# Allegro board BeagleBoard-xM.brd (continued)
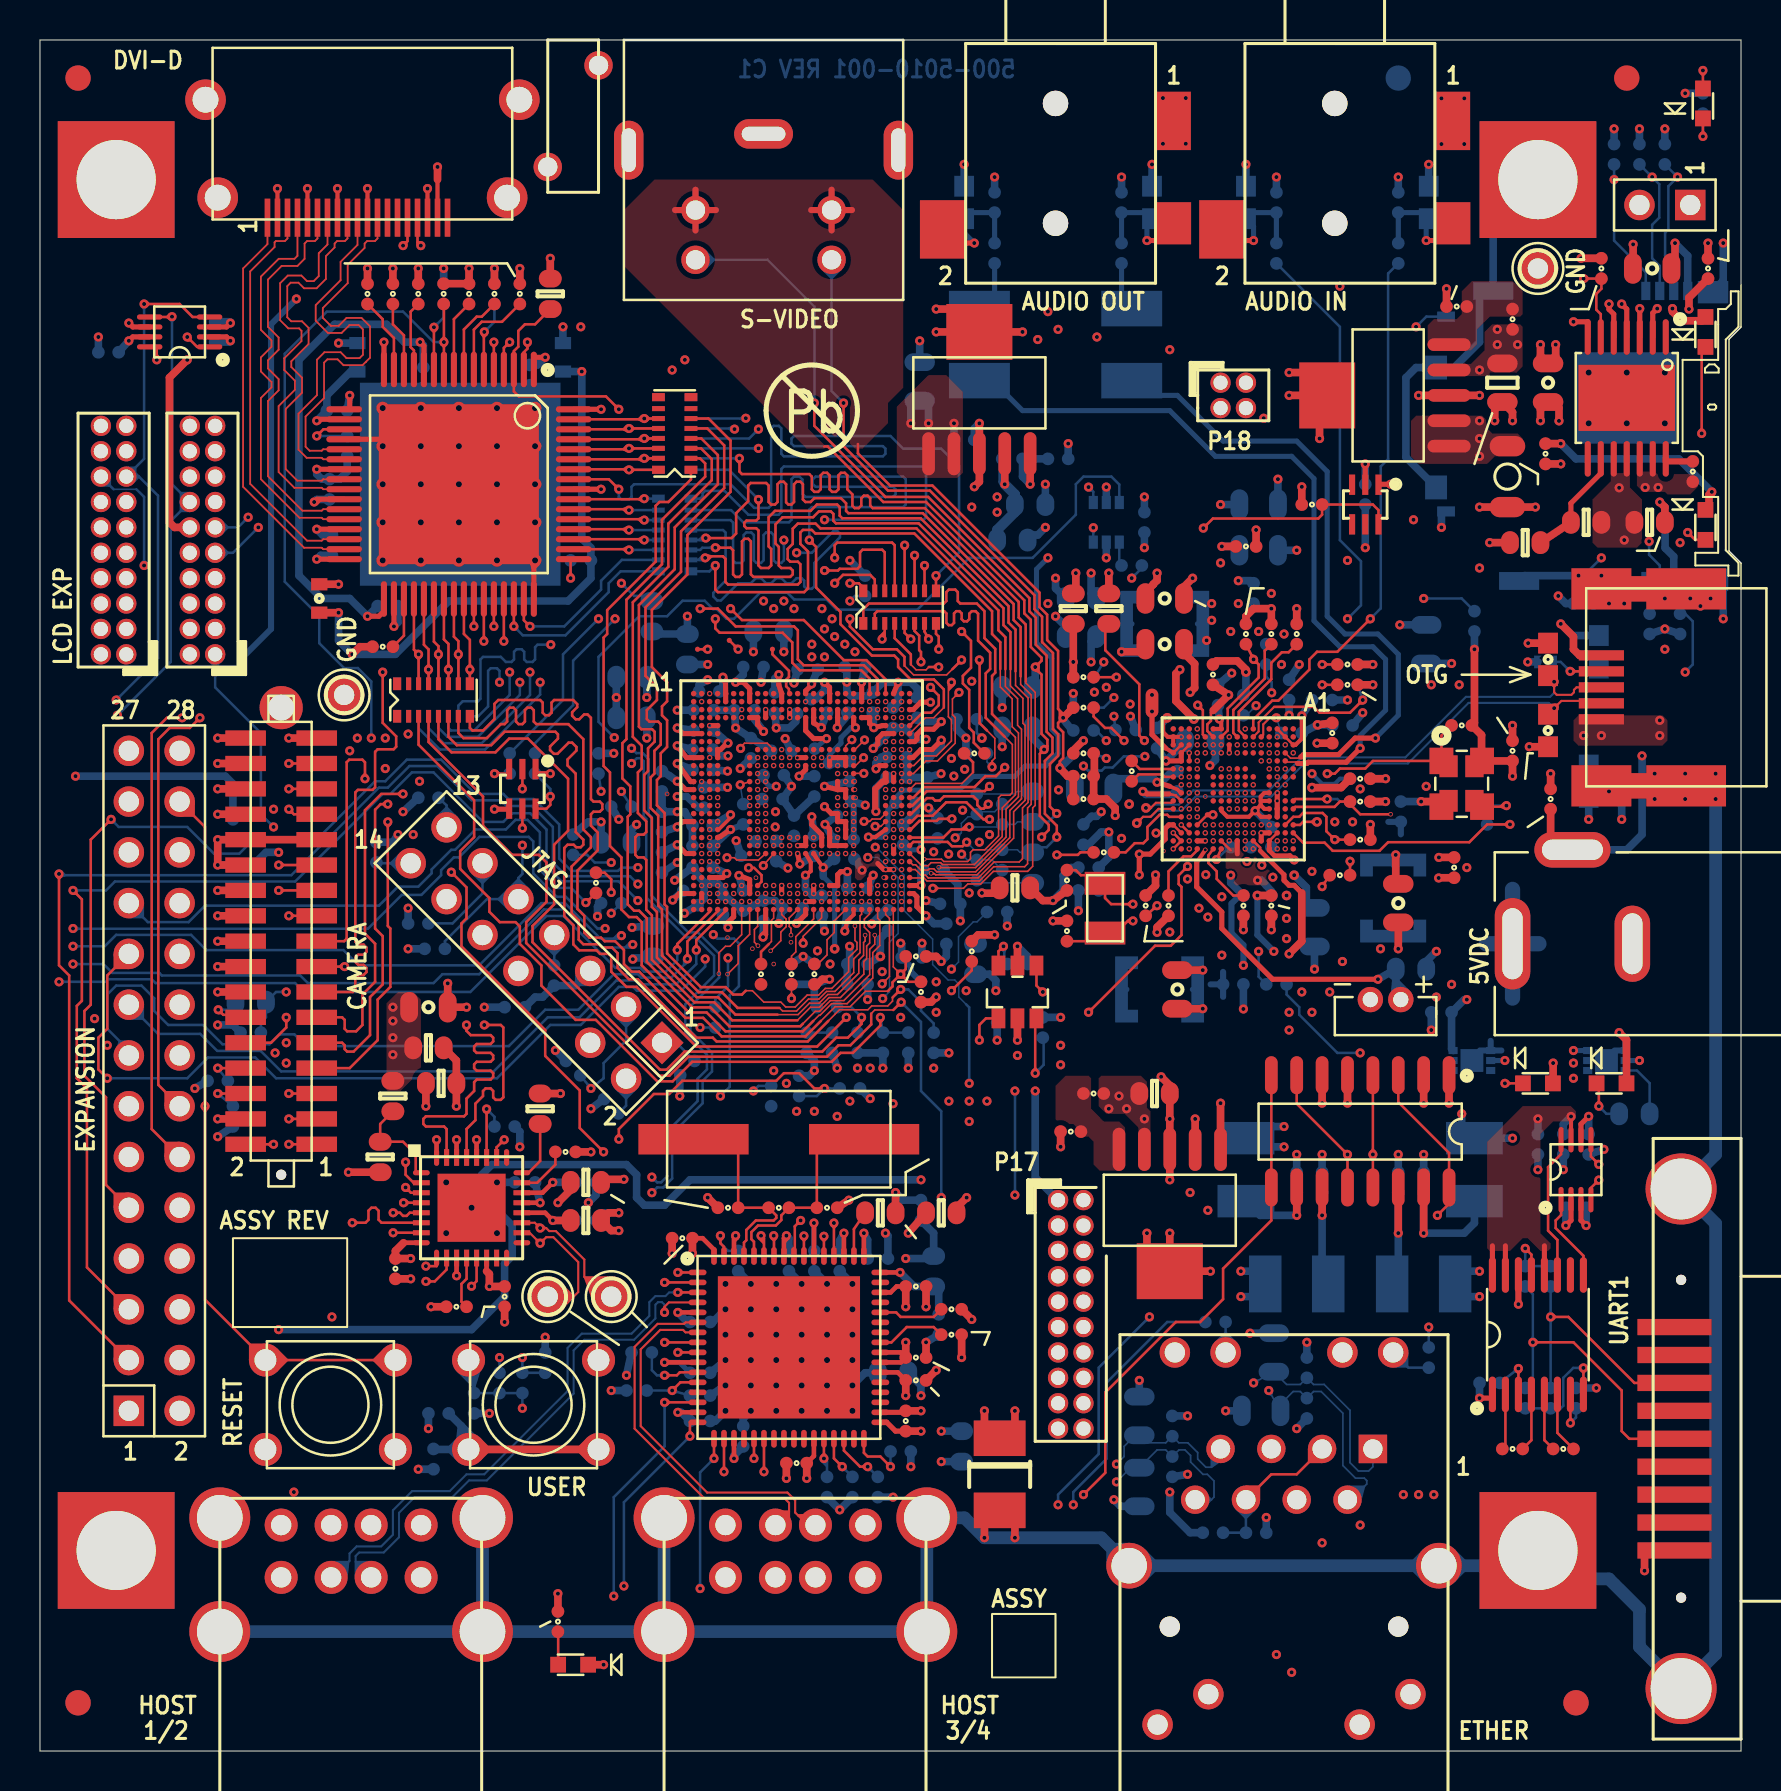
[diagram p0: board, top side]
## Placement (name value [footprint] x y rotation side) (continued)
R53  10K,1%  [R402-25RD]  52.45 43.05 180 bottom
R54  10K  [R402-25RD]  55.31 42.29 90 top
R55  4.7K  [R402-25RD]  71.12 51.31 0 top
R56  33  [R402-25RD]  72.39 46.86 270 bottom
R57  0,0603  [R603-35X45]  53.47 57.15 270 top
R58  33  [R402-25RD]  54.1 74.93 90 bottom
R59  4.7K  [R402-25RD]  66.04 47.5 180 top
R60  33  [R402-25RD]  47.75 74.93 90 bottom
R61  4.7K  [R402-25RD]  66.04 45.59 180 top
R62  10K  [R402-25RD]  52.2 52.2 0 bottom
R63  12.4K,1%,0603  [R603-35X45]  42.04 26.92 180 top
R64  330  [R402-25RD]  61.85 38.35 180 bottom
R65  0,0603  [R603-35X45]  68.58 39.12 0 bottom
R66  0,0603  [R603-35X45]  52.07 57.66 180 bottom
R67  0,0603  [R603-35X45]  52.07 55.75 180 bottom
R68  0,0603,DNI  [R603-35X45]  48.64 60.58 180 bottom
R69  0,0603,DNI  [R603-35X45]  49.53 62.36 180 bottom
R70  DNI,56.2K,1%  [R402-25RD]  48.64 64.64 0 bottom
R71  DNI,115K,1%  [R402-25RD]  50.93 64.64 0 bottom
R72  10K  [R402-25RD]  80.52 56.39 90 bottom
R73  10K  [R402-25RD]  77.22 57.4 0 bottom
R74  10K  [R402-25RD]  80.01 79.88 270 bottom
R75  10K  [R402-25RD]  78.74 79.88 270 bottom
R76  10K  [R402-25RD]  81.28 79.88 270 bottom
R77  10K  [R402-25RD]  82.04 56.39 90 bottom
R78  0  [R402-25RD]  75.56 23.75 270 bottom
R79  0,DNI  [R402-25RD]  74.3 23.75 270 bottom
R80  0,DNI  [R402-25RD]  75.56 17.65 90 bottom
R81  10K  [R402-25RD]  77.47 30.35 90 bottom
R82  0  [R402-25RD]  74.3 17.65 90 bottom
R83  0,0603  [R603-35X45]  10.54 37.46 0 bottom
R84  8.45K_1%_0603  [R603-35X45]  25.53 72.9 270 top
R85  8.06K_1%_0603  [R603-35X45]  30.61 56.77 90 bottom
R86  10K  [R402-25RD]  21.46 72.9 90 top
R87  510  [R402-25RD]  15.37 65.28 90 bottom
R88  1K  [R402-25RD]  17.14 55.25 0 top
R89  4.7K  [R402-25RD]  27.05 59.56 180 bottom
R90  10K  [R402-25RD]  20.19 72.9 270 top
R91  1K  [R402-25RD]  18.92 72.9 270 top
R92  4.7K  [R402-25RD]  20.19 72.9 270 bottom
R93  10K  [R402-25RD]  16.38 72.9 270 top
R94  10K  [R402-25RD]  17.65 72.9 270 top
R95  RES_0_0402,DNI  [R402-25RD]  22.73 72.9 270 bottom
R96  RES_0_0402,DNI  [R402-25RD]  24 72.9 270 top
R97  RES_0_0402,DNI  [R402-25RD]  22.73 72.9 270 top
R98  0,0603  [R603-35X45]  17.65 32.77 270 top
R99  10K,DNI  [R402-25RD]  27.3 28.45 0 bottom
R100  0  [R402-25RD]  26.29 29.97 0 top
R101  100K  [R402-25RD]  30.1 19.94 0 bottom
R102  8.06K_1%_0603  [R603-35X45]  25.02 32.13 90 top
R103  10K  [R402-25RD]  23.24 31.24 0 bottom
R104  330  [R402-25RD]  69.47 19.68 270 bottom
R105  100K  [R402-25RD]  29.84 18.03 0 bottom
R106  10K  [R402-25RD]  45.59 22.1 0 top
R107  10K  [R402-25RD]  43.05 14.99 180 bottom
R108  10K  [R402-25RD]  41.91 13.21 90 bottom
R109  12K,1%  [R402-25RD]  34.92 24.51 90 bottom
R110  49.9,1%  [R805-35X60]  54.99 16.76 90 bottom
R111  56.2K,1%  [R402-25RD]  52.71 32.89 0 top
R112  1M  [R402-25RD]  36.96 27.18 0 top
R113  32.4K,1%  [R402-25RD]  51.56 30.99 180 top
R114  49.9,1%  [R805-35X60]  54.99 13.21 270 bottom
R115  49.9,1%  [R805-35X60]  61.72 19.94 90 bottom
R116  49.9,1%  [R805-35X60]  61.09 17.02 180 bottom
R117  10,1%  [R402-25RD]  58.67 10.92 0 bottom
R118  10K  [R402-25RD]  45.59 20.83 180 top
R119  0,1210  [R1210-70X102]  48.01 13.84 270 top
R121  510  [R603-35X45]  79.76 31.88 180 bottom
R122  0,0603,DNI  [R603-35X45]  17.02 29.72 270 top
R123  10K  [R402-25RD]  43.82 39.75 0 top
R124  10K  [R402-25RD]  10.54 35.94 0 bottom
R125  10K  [R402-25RD]  44.07 37.97 90 bottom
R126  10K,DNI  [R402-25RD]  40.51 33.15 0 bottom
R127  10K,DNI  [R402-25RD]  39.62 35.43 270 bottom
R128  10K  [R402-25RD]  40.64 13.21 90 bottom
R129  10K  [R402-25RD]  39.37 13.21 90 bottom
R130  10K  [R402-25RD]  70.1 36.96 0 bottom
R135  10K  [R402-25RD]  71.75 56.52 270 bottom
R136  330  [R402-25RD]  25.91 6.48 270 top
R137  510  [R402-25RD]  29.08 47.24 180 bottom
R138  10K  [R402-25RD]  63.63 62.36 0 top
R139  DNI,10K  [R402-25RD]  44.7 35.43 270 bottom
R140  10K  [R402-25RD]  37.97 33.27 90 bottom
R141  10K  [R402-25RD]  38.35 35.43 270 bottom
R142  DNI,10K  [R402-25RD]  39.37 37.21 180 bottom
R143  DNI,10K  [R402-25RD]  43.43 35.43 270 bottom
R144  10K  [R402-25RD]  66.29 62.87 90 bottom
R145  DNI,10K  [R402-25RD]  21.72 17.4 270 bottom
R146  0  [R402-25RD]  19.94 16.89 180 bottom
R147  0,DNI  [R402-25RD]  19.68 14.61 270 bottom
R148  0,DNI  [R402-25RD]  24.13 18.41 90 bottom
R149  0  [R402-25RD]  22.99 18.41 270 bottom
R151  0  [R402-25RD]  10.16 44.32 0 bottom
R154  DNI,0  [R402-25RD]  9.65 46.1 90 bottom
R155  4.7K,DNI  [R402-25RD]  8.89 33.53 0 bottom
R156  DNI  [R402-25RD]  54.61 59.31 0 bottom
R157  33  [R402-25RD]  27.81 43.43 90 top
R158  0,DNI  [R402-25RD]  82.68 64.01 270 top
R159  0  [R603-35X45]  19.43 35.18 180 top
R160  4.7K,DNI  [R402-25RD]  9.65 31.75 90 bottom
RP1  10  [RPAK16-10X25-2HV]  31.75 65.91 90 top
RP2  10  [RPAK16-10X25-2HV]  31.75 65.91 270 bottom
RP3  10  [RPAK16-10X25-2HV]  31.75 60.83 270 bottom
RP4  10  [RPAK16-10X25-2HV]  43 57.23 0 top
RP5  10  [RPAK16-10X25-2HV]  19.68 52.58 180 bottom
RP7  10  [RPAK16-10X25-2HV]  19.68 52.58 0 top
RT1  PTC_RXEF010  [POLYSW200-5638-310]  25.4 79.25 270 top
S1  KT11P2JM  [SW4-6040-PUSH]  27.94 19.56 180 top
S2  KT11P2JM  [SW4-6040-PUSH]  17.78 19.56 180 top
TP1  TESTPT1  [TP1-8040]  15.21 52.83 0 top
TP2  TESTPT1  [TP1-8040]  74.93 74.17 0 top
TP3  TESTPT2  [TP1-20SMT]  36.64 55.12 180 top
TP4  TESTPT2  [TP1-20SMT]  34.48 55.56 180 top
TP5  TESTPT2  [TP1-20SMT]  32.89 55.12 180 top
TP6  TESTPT1  [TP1-8040]  28.57 22.73 0 top
TP7  TESTPT1  [TP1-8040]  25.4 22.73 0 top
U2  TPS2141PWP  [PWP14-12X70]  79.38 67.69 180 top
U3  TL1963A  [DCQ-25X85-5]  70.48 67.82 90 top
U4  DM3730_ES1.2  [BGA515-CBB]  38.1 47.5 0 top
U5  SN74LVC2G07DBVR  [DBV6-27X39-6]  48.9 37.97 180 top
U7  TPS65950  [BGA-ZXN-209]  59.69 48.13 270 top
U8  TL1963A  [DCQ-25X85-5]  46.99 64.9 0 top
U9  SN65C3221EPW  [TSSOP16-14X70]  74.93 20.83 0 top
U10  TXS0102DCU  [DCU8-10X50]  76.84 29.08 0 top
U11  TFP410  [PAP64-12X70]  20.95 63.37 180 top
U12  TXS0102DCU  [DCU8-10X50]  6.98 70.99 90 top
U13  TPS2054BD  [SO16-25X75]  66.04 30.99 180 top
U14  USB3320 (QFN)  [QFN32_5X5]  21.59 27.18 270 top
U15  LAN9514_QFN64  [QFN64-11X27-SMSC]  37.47 20.19 0 top
U16  TL1963A  [DCQ-25X85-5]  56.52 30.1 180 top
U18  SN74LVC2G06DCKR  [DCK6]  53.34 61.47 0 bottom
U31  NCP349MNAE  [DFN6-1P6X2]  78.36 34.54 270 bottom
U32  NCP349MNAE  [DFN6-1P6X2]  71.63 34.54 270 bottom
Y1  OSC_26MHZ_EAE  [OSC4_EP16E7-AP3S]  71.12 48.39 270 top
Y3  32KHz Crystal  [XTAL2_FX135]  53.28 42.16 90 top
Y4  25.000MHz  [XTAL2-216X60-HCM49]  36.96 30.61 0 top

## Library data of the parts
BT1 = BAT_LI_RTC: Tolerance: X; User Part Number: X
C3 C7-C9 C12 C14 C15 C17 C19 C20 C24-C38 C40-C43 C45-C54 C56-C72 C75 C76 C78 C82-C85 C91 C98 C99 C104 C107 C110 C117 C138 C139 C141 C143 C145-C159 C164 C165 C168 C170-C176 C180-C183 C185 C186 C191-C195 C197 C198 C204 C206 C209 = CAP_0402_0.1uf_X5R_10V: Tolerance: TOLERANCE; User Part Number: USERPART#
C5 C6 C111 C112 C118 C119 C128 C132 C136 C140 C142 C144 C167 C189 = CAP_0805_10uf_CER_6.3V: Tolerance: TOL; User Part Number: PART#
C10 C11 C89 C90 C100 C101 = CAP_0402_47pF_COG_50V: Tolerance: TOLERANCE; User Part Number: USERPART#
C13 C16 C18 C21-C23 C39 C44 C55 C77 C86 C105 C166 C169 C177 C184 C190 C205 C207 = CAP_0603_4.7uf_X5R_6.3V: User Part Number: X; Tolerance: X
C73 C74 C79-C81 C108 C109 C113-C116 C120 C121 C123-C127 C129-C131 C133-C135 C137 C187 C196 C210 C213 = CAP_0402_1uf_X5R_10V: Tolerance: TOLERANCE; User Part Number: USERPART#
C87 C88 = CAP_1812_47uF_X5R_10V: User Part Number: X; Tolerance: X
C92-C97 C102 C103 C200-C203 = CAP_0402_100pF_COG_50V: Tolerance: TOLERANCE; User Part Number: USERPART#
C106 C122 = CAP_2.2UF_6.3V_X5R_0402: Tolerance: TOLERANCE; User Part Number: USERPART#
C160-C163 = CAP_293D_120UF_6.3V: tolerance: 10%
C178 C179 = CAP_0402_33pF_COG_50V: Tolerance: TOLERANCE; User Part Number: USERPART#
C199 = CAP_207-0009-000: Tolerance: 10%; User Part Number: USERPART#; tolerance: 10%
D1-D4 D8-D11 = PGB0010603MR: Tolerance: X; User Part Number: X
D5-D7 D12-D14 = LED_LTST-C150GKT: Tolerance: X; User Part Number: X
J1 = JMP_SOLDER
J2 = HDR2_.1x.1: Tolerance: X; User Part Number: X
L2 L3 = FER_3.3uH: User Part Number: X; Tolerance: X
L4 L6 = IND_1.0uH_2A: Tolerance: X; User Part Number: X
L5 = IND_1.0uH: Tolerance: X; User Part Number: X
L7-L9 = FER_MMZ1608R301A: Tolerance: X; User Part Number: X
L10 L11 = FB_2.0A/100MHz/0.05DCR/0603 Pwr: User Part Number: X; Tolerance: X
MH1-MH4 = MHOLE
P1 = MINI-USB-AB-SOCKET
P2 = CONN_PWR1_2.5MM: User Part Number: X; Tolerance: X
P3 = HDR_2x7_.1x.1: Tolerance: X; User Part Number: X
P4 = CONN_SVideo_2: Tolerance: TOL; User Part Number: PART#
P5 P6 = CONN_STEREO: User Part Number: X; Tolerance: X
P7 = microSD_CONN_8: Tolerance: X; User Part Number: X
P8 = DSUB_FEMALE_SHORT: User Part Number: PART#; Tolerance: TOL
P9 = EXP_HDR_28: Tolerance: X; User Part Number: X
P10 = CONN_CAM_LI: Tolerance: X; User Part Number: X
P11 P13 P17 = HDR 10X2_1.27mm
P12 = CONN_HDMI_1: User Part Number: PART#; Tolerance: TOL
P14 P16 = CONN_54819-0578_8: Tolerance: TOL; User Part Number: PART#
P15 = DUALUSB_ETHER_5
P18 = HDR 10X2_0.27mm
Q1 Q2 = RN1907: Tolerance: *; User Part Number: *
R1 R8 R11 R22-R25 R31 R36-R38 R41-R43 R54 R62 R72-R77 R81 R86 R90 R93 R94 R99 R103 R106-R108 R118 R123-R130 R137-R149 R158 = RES_10K_0402: Tolerance: TOLERANCE; User Part Number: USERPART#
R9 R121 = RES_620K_1%_0603: User Part Number: X; Tolerance: X
R10 = RES_200K_1%_0603: User Part Number: X; Tolerance: X
R12 R39 R40 R50 R64 R104 R136 = RES_330_0402: Tolerance: TOLERANCE; User Part Number: USERPART#
R13 R119 = RES_0.1_0805: Tolerance: X; User Part Number: X
R14 R111 = RES_56.2K_1%_0603: Tolerance: TOLERANCE; User Part Number: USERPART#
R15 R113 = RES_22.6K_1%_0603: Tolerance: TOLERANCE; User Part Number: USERPART#
R16 R47 R51 R56 R58 R60 R157 = RES_33_0402: Tolerance: TOLERANCE; User Part Number: USERPART#
R17 R88 R91 R135 = RES_1K_0402: Tolerance: TOLERANCE; User Part Number: USERPART#
R18-R21 R55 R59 R61 R89 R92 R117 R155 R160 = RES_4.7K_0402: Tolerance: TOLERANCE; User Part Number: USERPART#
R26-R30 R101 R105 = RES_100K_0402: Tolerance: TOLERANCE; User Part Number: USERPART#
R32 R33 = RES_1.650K_1%_0402: Tolerance: TOLERANCE; User Part Number: USERPART#
R34 R44-R46 R78-R80 R82 R95-R97 R100 R151 R154 R156 = RES_0_0402: Tolerance: TOLERANCE; User Part Number: USERPART#
R35 = RES_33_0402: Tolerance: TOLERANCE; User Part Number: USERPART#; signal model: RES_33_0402_R402_25RD_33_33
R48 R49 R109 = RES_12K_1%_0603: Tolerance: TOLERANCE; User Part Number: USERPART#
R52 R53 = RES_10K_0603: Tolerance: TOLERANCE; User Part Number: USERPART#
R57 R65-R69 R98 R122 = RES_0_0603: User Part Number: X; Tolerance: X
R63 = RES_12.4K_0603: User Part Number: X; Tolerance: X
R70 R71 = RES_0_0603: Tolerance: TOLERANCE; User Part Number: USERPART#
R83 = RES_0_0603: User Part Number: X; Tolerance: X; signal model: RES_0_0603_R603_35X45_0_0603_0_0603
R84 = RES_8.45K_1%_0603: User Part Number: X; Tolerance: X
R85 R102 = RES_8.06K_1%_0603: User Part Number: X; Tolerance: X
R87 = RES_510_0402: Tolerance: TOLERANCE; User Part Number: USERPART#
R110 R114-R116 = RES_4.7K_0402: Tolerance: X; User Part Number: X
R112 = RES_1M_0402: Tolerance: TOLERANCE; User Part Number: USERPART#
R159 = RES_10K_0402: User Part Number: X; Tolerance: X
RP1-RP4 RP7 = RPAK_10_8RES: Tolerance: TOL; User Part Number: PART#; signal model: RPAK_10_8RES_RPAK16_10X25_2HV_D_10
RP5 = RPAK_10_8RES: Tolerance: TOL; User Part Number: PART#
RT1 = PTC_RXEF010: Tolerance: X; User Part Number: X
S1 S2 = SW_KT11P2JM_4: Tolerance: X; User Part Number: X
TP1-TP7 = TESTPT1
U2 = TPS2141PWP_0: Tolerance: TOLERANCE; User Part Number: USERPART#
U3 U8 U16 = TL1963A_1: User Part Number: PART#; Tolerance: TOL
U4 = OMAP3730ES1_0_CBP
U5 = SN74LVC2G07DCKR: User Part Number: X; Tolerance: X
U7 = TPS65950_1
U9 = SN65C3221EPW: User Part Number: X; Tolerance: X
U10 U12 = TXS0102DCU
U11 = TFP410
U13 = TPS2054BD: Tolerance: X; User Part Number: X
U14 = USB3320QFN: Tolerance: TOL; User Part Number: PART#
U15 = LAN9514_QFN64
U18 = SN74LVC2G06DCKR: Tolerance: TOL; User Part Number: PART#
U31 U32 = IC_MCP349_0: User Part Number: X; Tolerance: X
Y1 = OSC_230-0067-000_0
Y3 = QUARTZ-32KHz-CM200S_0: tolerance: 20ppm
Y4 = XTAL25MHZ_HC49U_0

## Footprints (pads in the part's own frame, mm; a bottom-side part is the same pattern mirrored in y, then rotated)
BATT_MS412FE-FL26E_THRU
  round 1.27 hole 0.762: 1(0,0.762) 2(0,-0.762)
BGA515-CBB
  round 0.274 smd: A1(-5.401,5.401) A2(-5.001,5.401) A3(-4.601,5.401) A4(-4.201,5.401) A5(-3.801,5.401) A6(-3.401,5.401) A7(-3.001,5.401) A8(-2.6,5.401) A9(-2.2,5.401) A10(-1.8,5.401) A11(-1.4,5.401) A12(-1,5.401) A13(-0.6,5.401) A14(-0.2,5.401) A15(0.2,5.401) A16(0.6,5.401) A17(1,5.401) A18(1.4,5.401) A19(1.8,5.401) A20(2.2,5.401) A21(2.6,5.401) A22(3.001,5.401) A23(3.401,5.401) A24(3.801,5.401) A25(4.201,5.401) A26(4.601,5.401) A27(5.001,5.401) A28(5.401,5.401) AA1(-5.401,-2.6) AA2(-5.001,-2.6) AA3(-4.601,-2.6) AA4(-4.201,-2.6) AA8(-2.6,-2.6) AA9(-2.2,-2.6) AA10(-1.8,-2.6) AA11(-1.4,-2.6) AA12(-1,-2.6) AA13(-0.6,-2.6) AA14(-0.2,-2.6) AA15(0.2,-2.6) AA16(0.6,-2.6) AA17(1,-2.6) AA18(1.4,-2.6) AA19(1.8,-2.6) AA20(2.2,-2.6) AA21(2.6,-2.6) AA25(4.201,-2.6) AA26(4.601,-2.6) AA27(5.001,-2.6) AA28(5.401,-2.6) AB1(-5.401,-3.001) AB2(-5.001,-3.001) AB3(-4.601,-3.001) AB4(-4.201,-3.001) AB25(4.201,-3.001) AB26(4.601,-3.001) AB27(5.001,-3.001) AB28(5.401,-3.001) AC1(-5.401,-3.401) AC2(-5.001,-3.401) AC3(-4.601,-3.401) AC4(-4.201,-3.401) AC25(4.201,-3.401) AC26(4.601,-3.401) AC27(5.001,-3.401) AC28(5.401,-3.401) AD1(-5.401,-3.801) AD2(-5.001,-3.801) AD3(-4.601,-3.801) AD4(-4.201,-3.801) AD25(4.201,-3.801) AD26(4.601,-3.801) AD27(5.001,-3.801) AD28(5.401,-3.801) AE1(-5.401,-4.201) AE2(-5.001,-4.201) AE3(-4.601,-4.201) AE4(-4.201,-4.201) AE5(-3.801,-4.201) AE6(-3.401,-4.201) AE7(-3.001,-4.201) AE8(-2.6,-4.201) AE9(-2.2,-4.201) AE10(-1.8,-4.201) AE11(-1.4,-4.201) AE12(-1,-4.201) AE13(-0.6,-4.201) AE14(-0.2,-4.201) AE15(0.2,-4.201) AE16(0.6,-4.201) AE17(1,-4.201) AE18(1.4,-4.201) AE19(1.8,-4.201) AE20(2.2,-4.201) AE21(2.6,-4.201) AE22(3.001,-4.201) AE23(3.401,-4.201) AE24(3.801,-4.201) AE25(4.201,-4.201) AE26(4.601,-4.201) AE27(5.001,-4.201) AE28(5.401,-4.201) AF1(-5.401,-4.601) AF2(-5.001,-4.601) AF3(-4.601,-4.601) AF4(-4.201,-4.601) AF5(-3.801,-4.601) AF6(-3.401,-4.601) AF7(-3.001,-4.601) AF8(-2.6,-4.601) AF9(-2.2,-4.601) AF10(-1.8,-4.601) AF11(-1.4,-4.601) AF12(-1,-4.601) AF13(-0.6,-4.601) AF14(-0.2,-4.601) AF15(0.2,-4.601) AF16(0.6,-4.601) AF17(1,-4.601) AF18(1.4,-4.601) AF19(1.8,-4.601) AF20(2.2,-4.601) AF21(2.6,-4.601) AF22(3.001,-4.601) AF23(3.401,-4.601) AF24(3.801,-4.601) AF25(4.201,-4.601) AF26(4.601,-4.601) AF27(5.001,-4.601) AF28(5.401,-4.601) AG1(-5.401,-5.001) AG2(-5.001,-5.001) AG3(-4.601,-5.001) AG4(-4.201,-5.001) AG5(-3.801,-5.001) AG6(-3.401,-5.001) AG7(-3.001,-5.001) AG8(-2.6,-5.001) AG9(-2.2,-5.001) AG10(-1.8,-5.001) AG11(-1.4,-5.001) AG12(-1,-5.001) AG13(-0.6,-5.001) AG14(-0.2,-5.001) AG15(0.2,-5.001) AG16(0.6,-5.001) AG17(1,-5.001) AG18(1.4,-5.001) AG19(1.8,-5.001) AG20(2.2,-5.001) AG21(2.6,-5.001) AG22(3.001,-5.001) AG23(3.401,-5.001) AG24(3.801,-5.001) AG25(4.201,-5.001) AG26(4.601,-5.001) AG27(5.001,-5.001) AG28(5.401,-5.001) AH1(-5.401,-5.401) AH2(-5.001,-5.401) AH3(-4.601,-5.401) AH4(-4.201,-5.401) AH5(-3.801,-5.401) AH6(-3.401,-5.401) AH7(-3.001,-5.401) AH8(-2.6,-5.401) AH9(-2.2,-5.401) AH10(-1.8,-5.401) AH11(-1.4,-5.401) AH12(-1,-5.401) AH13(-0.6,-5.401) AH14(-0.2,-5.401) AH15(0.2,-5.401) AH16(0.6,-5.401) AH17(1,-5.401) AH18(1.4,-5.401) AH19(1.8,-5.401) AH20(2.2,-5.401) AH21(2.6,-5.401) AH22(3.001,-5.401) AH23(3.401,-5.401) AH24(3.801,-5.401) AH25(4.201,-5.401) AH26(4.601,-5.401) AH27(5.001,-5.401) AH28(5.401,-5.401) B1(-5.401,5.001) B2(-5.001,5.001) B3(-4.601,5.001) B4(-4.201,5.001) B5(-3.801,5.001) B6(-3.401,5.001) B7(-3.001,5.001) B8(-2.6,5.001) B9(-2.2,5.001) B10(-1.8,5.001) B11(-1.4,5.001) B12(-1,5.001) B13(-0.6,5.001) B14(-0.2,5.001) B15(0.2,5.001) B16(0.6,5.001) B17(1,5.001) B18(1.4,5.001) B19(1.8,5.001) B20(2.2,5.001) B21(2.6,5.001) B22(3.001,5.001) B23(3.401,5.001) B24(3.801,5.001) B25(4.201,5.001) B26(4.601,5.001) B27(5.001,5.001) B28(5.401,5.001) C1(-5.401,4.601) C2(-5.001,4.601) C3(-4.601,4.601) C4(-4.201,4.601) C5(-3.801,4.601) C6(-3.401,4.601) C7(-3.001,4.601) C8(-2.6,4.601) C9(-2.2,4.601) C10(-1.8,4.601) C11(-1.4,4.601) C12(-1,4.601) C13(-0.6,4.601) C14(-0.2,4.601) C15(0.2,4.601) C16(0.6,4.601) C17(1,4.601) C18(1.4,4.601) C19(1.8,4.601) C20(2.2,4.601) C21(2.6,4.601) C22(3.001,4.601) C23(3.401,4.601) C24(3.801,4.601) C25(4.201,4.601) C26(4.601,4.601) C27(5.001,4.601) C28(5.401,4.601) D1(-5.401,4.201) D2(-5.001,4.201) D3(-4.601,4.201) D4(-4.201,4.201) D5(-3.801,4.201) D6(-3.401,4.201) D7(-3.001,4.201) D8(-2.6,4.201) D9(-2.2,4.201) D10(-1.8,4.201) D11(-1.4,4.201) D12(-1,4.201) D13(-0.6,4.201) D14(-0.2,4.201) D15(0.2,4.201) D16(0.6,4.201) D17(1,4.201) D18(1.4,4.201) D19(1.8,4.201) D20(2.2,4.201) D21(2.6,4.201) D22(3.001,4.201) D23(3.401,4.201) D24(3.801,4.201) D25(4.201,4.201) D26(4.601,4.201) D27(5.001,4.201) D28(5.401,4.201) E1(-5.401,3.801) E2(-5.001,3.801) E3(-4.601,3.801) E4(-4.201,3.801) E25(4.201,3.801) E26(4.601,3.801) E27(5.001,3.801) E28(5.401,3.801) F1(-5.401,3.401) F2(-5.001,3.401) F3(-4.601,3.401) F4(-4.201,3.401) F25(4.201,3.401) F26(4.601,3.401) F27(5.001,3.401) F28(5.401,3.401) G1(-5.401,3.001) G2(-5.001,3.001) G3(-4.601,3.001) G4(-4.201,3.001) G25(4.201,3.001) G26(4.601,3.001) G27(5.001,3.001) G28(5.401,3.001) H1(-5.401,2.6) H2(-5.001,2.6) H3(-4.601,2.6) H4(-4.201,2.6) H9(-2.2,2.6) H10(-1.8,2.6) H11(-1.4,2.6) H12(-1,2.6) H13(-0.6,2.6) H14(-0.2,2.6) H15(0.2,2.6) H16(0.6,2.6) H17(1,2.6) H18(1.4,2.6) H19(1.8,2.6) H20(2.2,2.6) H21(2.6,2.6) H25(4.201,2.6) H26(4.601,2.6) H27(5.001,2.6) H28(5.401,2.6) J1(-5.401,2.2) J2(-5.001,2.2) J3(-4.601,2.2) J4(-4.201,2.2) J8(-2.6,2.2) J9(-2.2,2.2) J10(-1.8,2.2) J11(-1.4,2.2) J12(-1,2.2) J13(-0.6,2.2) J14(-0.2,2.2) J15(0.2,2.2) J16(0.6,2.2) J17(1,2.2) J18(1.4,2.2) J19(1.8,2.2) J20(2.2,2.2) J21(2.6,2.2) J25(4.201,2.2) J26(4.601,2.2) J27(5.001,2.2) J28(5.401,2.2) K1(-5.401,1.8) K2(-5.001,1.8) K3(-4.601,1.8) K4(-4.201,1.8) K8(-2.6,1.8) K9(-2.2,1.8) K10(-1.8,1.8) K11(-1.4,1.8) K12(-1,1.8) K13(-0.6,1.8) K14(-0.2,1.8) K15(0.2,1.8) K16(0.6,1.8) K17(1,1.8) K18(1.4,1.8) K19(1.8,1.8) K20(2.2,1.8) K21(2.6,1.8) K25(4.201,1.8) K26(4.601,1.8) K27(5.001,1.8) K28(5.401,1.8) L1(-5.401,1.4) L2(-5.001,1.4) L3(-4.601,1.4) L4(-4.201,1.4) L8(-2.6,1.4) L9(-2.2,1.4) L10(-1.8,1.4) L19(1.8,1.4) L20(2.2,1.4) L21(2.6,1.4) L25(4.201,1.4) L26(4.601,1.4) L27(5.001,1.4) L28(5.401,1.4) M1(-5.401,1) M2(-5.001,1) M3(-4.601,1) M4(-4.201,1) M8(-2.6,1) M9(-2.2,1) M10(-1.8,1) M19(1.8,1) M20(2.2,1) M21(2.6,1) M25(4.201,1) M26(4.601,1) M27(5.001,1) M28(5.401,1) N1(-5.401,0.6) N2(-5.001,0.6) N3(-4.601,0.6) N4(-4.201,0.6) N8(-2.6,0.6) N9(-2.2,0.6) N10(-1.8,0.6) N19(1.8,0.6) N20(2.2,0.6) N21(2.6,0.6) N25(4.201,0.6) N26(4.601,0.6) N27(5.001,0.6) N28(5.401,0.6) P1(-5.401,0.2) P2(-5.001,0.2) P3(-4.601,0.2) P4(-4.201,0.2) P8(-2.6,0.2) P9(-2.2,0.2) P10(-1.8,0.2) P19(1.8,0.2) P20(2.2,0.2) P21(2.6,0.2) P25(4.201,0.2) P26(4.601,0.2) P27(5.001,0.2) P28(5.401,0.2) R1(-5.401,-0.2) R2(-5.001,-0.2) R3(-4.601,-0.2) R4(-4.201,-0.2) R8(-2.6,-0.2) R9(-2.2,-0.2) R10(-1.8,-0.2) R19(1.8,-0.2) R20(2.2,-0.2) R21(2.6,-0.2) R25(4.201,-0.2) R26(4.601,-0.2) R27(5.001,-0.2) R28(5.401,-0.2) T1(-5.401,-0.6) T2(-5.001,-0.6) T3(-4.601,-0.6) T4(-4.201,-0.6) T8(-2.6,-0.6) T9(-2.2,-0.6) T10(-1.8,-0.6) T19(1.8,-0.6) T20(2.2,-0.6) T21(2.6,-0.6) T25(4.201,-0.6) T26(4.601,-0.6) T27(5.001,-0.6) T28(5.401,-0.6) U1(-5.401,-1) U2(-5.001,-1) U3(-4.601,-1) U4(-4.201,-1) U8(-2.6,-1) U9(-2.2,-1) U10(-1.8,-1) U19(1.8,-1) U20(2.2,-1) U21(2.6,-1) U25(4.201,-1) U26(4.601,-1) U27(5.001,-1) U28(5.401,-1) V1(-5.401,-1.4) V2(-5.001,-1.4) V3(-4.601,-1.4) V4(-4.201,-1.4) V8(-2.6,-1.4) V9(-2.2,-1.4) V10(-1.8,-1.4) V19(1.8,-1.4) V20(2.2,-1.4) V21(2.6,-1.4) V25(4.201,-1.4) V26(4.601,-1.4) V27(5.001,-1.4) V28(5.401,-1.4) W1(-5.401,-1.8) W2(-5.001,-1.8) W3(-4.601,-1.8) W4(-4.201,-1.8) W8(-2.6,-1.8) W9(-2.2,-1.8) W10(-1.8,-1.8) W11(-1.4,-1.8) W12(-1,-1.8) W13(-0.6,-1.8) W14(-0.2,-1.8) W15(0.2,-1.8) W16(0.6,-1.8) W17(1,-1.8) W18(1.4,-1.8) W19(1.8,-1.8) W20(2.2,-1.8) W21(2.6,-1.8) W25(4.201,-1.8) W26(4.601,-1.8) W27(5.001,-1.8) W28(5.401,-1.8) Y1(-5.401,-2.2) Y2(-5.001,-2.2) Y3(-4.601,-2.2) Y4(-4.201,-2.2) Y8(-2.6,-2.2) Y9(-2.2,-2.2) Y10(-1.8,-2.2) Y11(-1.4,-2.2) Y12(-1,-2.2) Y13(-0.6,-2.2) Y14(-0.2,-2.2) Y15(0.2,-2.2) Y16(0.6,-2.2) Y17(1,-2.2) Y18(1.4,-2.2) Y19(1.8,-2.2) Y20(2.2,-2.2) Y21(2.6,-2.2) Y25(4.201,-2.2) Y26(4.601,-2.2) Y27(5.001,-2.2) Y28(5.401,-2.2)
BGA-ZXN-209
  round 0.274 smd: A1(-3.001,3.001) A2(-2.6,3.001) A3(-2.2,3.001) A4(-1.8,3.001) A6(-1,3.001) A7(-0.6,3.001) A10(0.6,3.001) A11(1,3.001) A13(1.8,3.001) A14(2.2,3.001) A15(2.6,3.001) A16(3.001,3.001) B1(-3.001,2.6) B2(-2.6,2.6) B3(-2.2,2.6) B4(-1.8,2.6) B5(-1.4,2.6) B6(-1,2.6) B7(-0.6,2.6) B8(-0.2,2.6) B9(0.2,2.6) B10(0.6,2.6) B11(1,2.6) B12(1.4,2.6) B13(1.8,2.6) B14(2.2,2.6) B15(2.6,2.6) B16(3.001,2.6) C1(-3.001,2.2) C2(-2.6,2.2) C3(-2.2,2.2) C4(-1.8,2.2) C5(-1.4,2.2) C6(-1,2.2) C7(-0.6,2.2) C8(-0.2,2.2) C9(0.2,2.2) C10(0.6,2.2) C11(1,2.2) C12(1.4,2.2) C13(1.8,2.2) C14(2.2,2.2) C15(2.6,2.2) C16(3.001,2.2) D1(-3.001,1.8) D2(-2.6,1.8) D3(-2.2,1.8) D4(-1.8,1.8) D5(-1.4,1.8) D6(-1,1.8) D7(-0.6,1.8) D8(-0.2,1.8) D9(0.2,1.8) D10(0.6,1.8) D11(1,1.8) D12(1.4,1.8) D13(1.8,1.8) D14(2.2,1.8) D15(2.6,1.8) D16(3.001,1.8) E2(-2.6,1.4) E3(-2.2,1.4) E4(-1.8,1.4) E5(-1.4,1.4) E13(1.8,1.4) E14(2.2,1.4) E15(2.6,1.4) F1(-3.001,1) F2(-2.6,1) F3(-2.2,1) F4(-1.8,1) F7(-0.6,1) F8(-0.2,1) F9(0.2,1) F10(0.6,1) F13(1.8,1) F14(2.2,1) F15(2.6,1) F16(3.001,1) G1(-3.001,0.6) G2(-2.6,0.6) G3(-2.2,0.6) G4(-1.8,0.6) G6(-1,0.6) G7(-0.6,0.6) G8(-0.2,0.6) G9(0.2,0.6) G10(0.6,0.6) G11(1,0.6) G13(1.8,0.6) G14(2.2,0.6) G15(2.6,0.6) G16(3.001,0.6) H2(-2.6,0.2) H3(-2.2,0.2) H4(-1.8,0.2) H6(-1,0.2) H7(-0.6,0.2) H8(-0.2,0.2) H9(0.2,0.2) H10(0.6,0.2) H11(1,0.2) H13(1.8,0.2) H14(2.2,0.2) H15(2.6,0.2) J2(-2.6,-0.2) J3(-2.2,-0.2) J4(-1.8,-0.2) J6(-1,-0.2) J7(-0.6,-0.2) J8(-0.2,-0.2) J9(0.2,-0.2) J10(0.6,-0.2) J11(1,-0.2) J13(1.8,-0.2) J14(2.2,-0.2) J15(2.6,-0.2) K1(-3.001,-0.6) K2(-2.6,-0.6) K3(-2.2,-0.6) K4(-1.8,-0.6) K6(-1,-0.6) K7(-0.6,-0.6) K8(-0.2,-0.6) K9(0.2,-0.6) K10(0.6,-0.6) K11(1,-0.6) K13(1.8,-0.6) K14(2.2,-0.6) K15(2.6,-0.6) K16(3.001,-0.6) L1(-3.001,-1) L2(-2.6,-1) L3(-2.2,-1) L4(-1.8,-1) L7(-0.6,-1) L8(-0.2,-1) L9(0.2,-1) L10(0.6,-1) L13(1.8,-1) L14(2.2,-1) L15(2.6,-1) L16(3.001,-1) M2(-2.6,-1.4) M3(-2.2,-1.4) M4(-1.8,-1.4) M13(1.8,-1.4) M14(2.2,-1.4) M15(2.6,-1.4) N1(-3.001,-1.8) N2(-2.6,-1.8) N3(-2.2,-1.8) N4(-1.8,-1.8) N5(-1.4,-1.8) N6(-1,-1.8) N7(-0.6,-1.8) N8(-0.2,-1.8) N9(0.2,-1.8) N10(0.6,-1.8) N11(1,-1.8) N12(1.4,-1.8) N13(1.8,-1.8) N14(2.2,-1.8) N15(2.6,-1.8) N16(3.001,-1.8) P1(-3.001,-2.2) P2(-2.6,-2.2) P3(-2.2,-2.2) P4(-1.8,-2.2) P5(-1.4,-2.2) P6(-1,-2.2) P7(-0.6,-2.2) P8(-0.2,-2.2) P9(0.2,-2.2) P10(0.6,-2.2) P11(1,-2.2) P12(1.4,-2.2) P13(1.8,-2.2) P14(2.2,-2.2) P15(2.6,-2.2) P16(3.001,-2.2) R1(-3.001,-2.6) R2(-2.6,-2.6) R3(-2.2,-2.6) R4(-1.8,-2.6) R5(-1.4,-2.6) R6(-1,-2.6) R7(-0.6,-2.6) R8(-0.2,-2.6) R9(0.2,-2.6) R10(0.6,-2.6) R11(1,-2.6) R12(1.4,-2.6) R13(1.8,-2.6) R14(2.2,-2.6) R15(2.6,-2.6) R16(3.001,-2.6) T1(-3.001,-3.001) T2(-2.6,-3.001) T3(-2.2,-3.001) T4(-1.8,-3.001) T6(-1,-3.001) T7(-0.6,-3.001) T10(0.6,-3.001) T11(1,-3.001) T13(1.8,-3.001) T14(2.2,-3.001) T15(2.6,-3.001) T16(3.001,-3.001)
C402-25
  round 0.635 smd: 1(-0.508,0) 2(0.508,0)
C0805
  oval 0.889x1.524 smd: 1(-0.965,0) 2(0.965,0)
C1206
  oval 1.016x1.778 smd: 1(-1.524,0) 2(1.524,0)
C1210-70X102
  rect 1.778x3.048 smd: 1(-1.803,0) 2(1.803,0)
C3528-64X112
  rect 1.626x2.845 smd: 1(-1.575,0) 2(1.575,0)
CONN2X2-4028-1
  round 1.016 hole 0.711: 1(0,1.27) 2(0,0) 3(1.27,1.27) 4(1.27,0)
CONN2X10-4028
  round 1.016 hole 0.711: 1(0,0) 2(0,1.27) 3(1.27,0) 4(1.27,1.27) 5(2.54,0) 6(2.54,1.27) 7(3.81,0) 8(3.81,1.27) 9(5.08,0) 10(5.08,1.27) 11(6.35,0) 12(6.35,1.27) 13(7.62,0) 14(7.62,1.27) 15(8.89,0) 16(8.89,1.27) 17(10.16,0) 18(10.16,1.27) 19(11.43,0) 20(11.43,1.27)
CONN2X10-4028-1
  round 1.016 hole 0.711: 1(0,1.27) 2(0,0) 3(1.27,1.27) 4(1.27,0) 5(2.54,1.27) 6(2.54,0) 7(3.81,1.27) 8(3.81,0) 9(5.08,1.27) 10(5.08,0) 11(6.35,1.27) 12(6.35,0) 13(7.62,1.27) 14(7.62,0) 15(8.89,1.27) 16(8.89,0) 17(10.16,1.27) 18(10.16,0) 19(11.43,1.27) 20(11.43,0)
CONN2X17-80X30
  round 0.508 hole 0.889 unplated: (0,11.684)
  round 2.159 hole 1.295: (0,-11.684)
  rect 2.032x0.762 smd: 1(-1.778,10.16) 2(1.778,10.16) 3(-1.778,8.89) 4(1.778,8.89) 5(-1.778,7.62) 6(1.778,7.62) 7(-1.778,6.35) 8(1.778,6.35) 9(-1.778,5.08) 10(1.778,5.08) 11(-1.778,3.81) 12(1.778,3.81) 13(-1.778,2.54) 14(1.778,2.54) 15(-1.778,1.27) 16(1.778,1.27) 17(-1.778,0) 18(1.778,0) 19(-1.778,-1.27) 20(1.778,-1.27) 21(-1.778,-2.54) 22(1.778,-2.54) 23(-1.778,-3.81) 24(1.778,-3.81) 25(-1.778,-5.08) 26(1.778,-5.08) 27(-1.778,-6.35) 28(1.778,-6.35) 29(-1.778,-7.62) 30(1.778,-7.62) 31(-1.778,-8.89) 32(1.778,-8.89) 33(-1.778,-10.16) 34(1.778,-10.16)
CONN3-PWR-PJ102A
  oval 1.778x4.572 hole 1.016x3.556: 1(0,0)
  oval 1.778x3.81 hole 1.016x3.048: 2(5.994,0)
  oval 3.81x1.778 hole 3.048x1.016: 3(2.997,4.699)
CONN4-DIN-RT
  round 1.422 hole 0.965: 1(-3.404,-8.509) 2(3.404,-8.509) 3(-3.404,-10.998) 4(3.404,-10.998)
  oval 1.473x2.946 hole 0.711x2.184: MH1(-6.744,-5.512) MH3(6.744,-5.512)
  oval 2.946x1.473 hole 2.184x0.711: MH2(0,-4.699)
CONN9-SMT-RT-190-009-263
  round 0.508 hole 1.524 unplated: (-7.95,0.33) (7.95,0.33)
  rect 0.813x3.708 smd: 1(-5.588,0) 2(-2.794,0) 3(0,0) 4(2.794,0) 5(5.588,0) 6(-4.191,0) 7(-1.397,0) 8(1.397,0) 9(4.191,0)
  round 3.556 hole 3.048: 10(-12.497,0.33) 11(12.497,0.33)
CUI-SJ1-3513-SMT
  round 1.27 hole 1.6 unplated: (0,0) (5.994,0)
  rect 2.921x1.778 smd: 1(0.874,5.88)
  rect 2.921x2.286 smd: 2(6.299,-5.639)
  rect 2.108x1.778 smd: 3(5.994,5.893)
DBV6-27X39-6
  rect 0.686x0.991 smd: 1(-0.95,-1.321) 2(0,-1.321) 3(0.95,-1.321) 4(0.95,1.321) 5(0,1.321) 6(-0.95,1.321)
DCK6
  rect 0.46x0.66 smd: 1(-0.65,-0.991) 2(0,-0.991) 3(0.65,-0.991) 4(0.65,0.991) 5(0,0.991) 6(-0.65,0.991)
DCQ-25X85-5
  oval 0.635x2.159 smd: 1(-2.54,0) 2(-1.27,0) 3(0,0) 4(1.27,0) 5(2.54,0)
  rect 3.302x2.794 smd: 6(0,6.096)
DCU8-10X50
  oval 0.254x1.27 smd: 1(-0.747,-1.499) 2(-0.249,-1.499) 3(0.249,-1.499) 4(0.747,-1.499) 5(0.747,1.499) 6(0.249,1.499) 7(-0.249,1.499) 8(-0.747,1.499)
DFN6-1P6X2
  rect 0.356x0.457 smd: 1(-0.5,-0.94) 2(0,-0.94) 3(0.5,-0.94) 4(0.5,0.94) 5(0,0.94) 6(-0.5,0.94)
  rect 1.143x1.143 smd: 7(0,0)
F603-41X39
  rect 1.041x0.991 smd: 1(-0.813,0) 2(0.813,0)
HDMI-SMT-W-FLANGE
  rect 0.279x1.905 smd: 1(4.75,0) 2(4.249,0) 3(3.749,0) 4(3.249,0) 5(2.748,0) 6(2.248,0) 7(1.748,0) 8(1.247,0) 9(0.747,0) 10(0.246,0) 11(-0.254,0) 12(-0.754,0) 13(-1.255,0) 14(-1.755,0) 15(-2.256,0) 16(-2.756,0) 17(-3.256,0) 18(-3.757,0) 19(-4.257,0)
  round 2.032 hole 1.295: MTG1(-7.239,-1.001) MTG2(7.239,-1.001) MTG3(-7.849,-5.9) MTG4(7.849,-5.9)
IND603-24X32
  rect 0.61x0.813 smd: 1(-0.711,0) 2(0.711,0)
IND-LPS3010
  custom 1.143x3.302 smd: 1(-1.651,0) 2(1.651,0)
IND-LPS3015
  custom 1.143x3.302 smd: 1(-1.651,0) 2(1.651,0)
JUMP2-6040
  rect 1.524x1.524 hole 1.016: 1(0,0)
  round 1.524 hole 1.016: 2(0,-2.54)
JUMP2X7-6040-K6
  rect 1.524x1.524 hole 1.016: 1(0,0)
  round 1.524 hole 1.016: 2(2.54,0) 3(0,-2.54) 4(2.54,-2.54) 5(0,-5.08) 7(0,-7.62) 8(2.54,-7.62) 9(0,-10.16) 10(2.54,-10.16) 11(0,-12.7) 12(2.54,-12.7) 13(0,-15.24) 14(2.54,-15.24)
JUMP2X14-6040-1
  rect 1.524x1.524 hole 1.016: 1(0,0)
  round 1.524 hole 1.016: 2(-2.54,0) 3(0,-2.54) 4(-2.54,-2.54) 5(0,-5.08) 6(-2.54,-5.08) 7(0,-7.62) 8(-2.54,-7.62) 9(0,-10.16) 10(-2.54,-10.16) 11(0,-12.7) 12(-2.54,-12.7) 13(0,-15.24) 14(-2.54,-15.24) 15(0,-17.78) 16(-2.54,-17.78) 17(0,-20.32) 18(-2.54,-20.32) 19(0,-22.86) 20(-2.54,-22.86) 21(0,-25.4) 22(-2.54,-25.4) 23(0,-27.94) 24(-2.54,-27.94) 25(0,-30.48) 26(-2.54,-30.48) 27(0,-33.02) 28(-2.54,-33.02)
LED2-31SQ
  rect 0.787x0.787 smd: 1(-0.749,0) 2(0.749,0)
MH230-156
  rect 5.842x5.842 hole 3.962: 1(0,0)
OSC4_EP16E7-AP3S
  rect 1.321x1.194 smd: 1(-1.143,-1.016) 2(1.143,-1.016) 3(1.143,1.016) 4(-1.143,1.016)
PAP64-12X70
  oval 0.305x1.778 smd: 1(-3.749,-5.74) 2(-3.249,-5.74) 3(-2.749,-5.74) 4(-2.249,-5.74) 5(-1.75,-5.74) 6(-1.25,-5.74) 7(-0.75,-5.74) 8(-0.25,-5.74) 9(0.25,-5.74) 10(0.75,-5.74) 11(1.25,-5.74) 12(1.75,-5.74) 13(2.249,-5.74) 14(2.749,-5.74) 15(3.249,-5.74) 16(3.749,-5.74) 33(3.749,5.74) 34(3.249,5.74) 35(2.749,5.74) 36(2.249,5.74) 37(1.75,5.74) 38(1.25,5.74) 39(0.75,5.74) 40(0.25,5.74) 41(-0.25,5.74) 42(-0.75,5.74) 43(-1.25,5.74) 44(-1.75,5.74) 45(-2.249,5.74) 46(-2.749,5.74) 47(-3.249,5.74) 48(-3.749,5.74)
  oval 1.778x0.305 smd: 17(5.74,-3.749) 18(5.74,-3.249) 19(5.74,-2.749) 20(5.74,-2.249) 21(5.74,-1.75) 22(5.74,-1.25) 23(5.74,-0.75) 24(5.74,-0.25) 25(5.74,0.25) 26(5.74,0.75) 27(5.74,1.25) 28(5.74,1.75) 29(5.74,2.249) 30(5.74,2.749) 31(5.74,3.249) 32(5.74,3.749) 49(-5.74,3.749) 50(-5.74,3.249) 51(-5.74,2.749) 52(-5.74,2.249) 53(-5.74,1.75) 54(-5.74,1.25) 55(-5.74,0.75) 56(-5.74,0.25) 57(-5.74,-0.25) 58(-5.74,-0.75) 59(-5.74,-1.25) 60(-5.74,-1.75) 61(-5.74,-2.249) 62(-5.74,-2.749) 63(-5.74,-3.249) 64(-5.74,-3.749)
  rect 8.001x8.001 smd: 65(0,0)
POLYSW200-5638-310
  round 1.422 hole 0.965: 1(-5.08,2.54) 2(0,0)
PWP14-12X70
  oval 0.305x1.778 smd: 1(-1.951,-3.048) 2(-1.3,-3.048) 3(-0.65,-3.048) 4(0,-3.048) 5(0.65,-3.048) 6(1.3,-3.048) 7(1.951,-3.048) 8(1.951,3.048) 9(1.3,3.048) 10(0.65,3.048) 11(0,3.048) 12(-0.65,3.048) 13(-1.3,3.048) 14(-1.951,3.048)
  rect 2.54x2.54 smd: 15(0,0)
QFN32_5X5
  oval 0.254x0.838 smd: 1(-1.751,-2.515) 8(1.751,-2.515) 17(1.751,2.515) 24(-1.751,2.515)
  rect 0.254x0.838 smd: 2(-1.251,-2.515) 3(-0.751,-2.515) 4(-0.25,-2.515) 5(0.25,-2.515) 6(0.751,-2.515) 7(1.251,-2.515) 18(1.251,2.515) 19(0.751,2.515) 20(0.25,2.515) 21(-0.25,2.515) 22(-0.751,2.515) 23(-1.251,2.515)
  oval 0.838x0.254 smd: 9(2.515,-1.751) 16(2.515,1.751) 25(-2.515,1.751) 32(-2.515,-1.751)
  rect 0.838x0.254 smd: 10(2.515,-1.251) 11(2.515,-0.751) 12(2.515,-0.25) 13(2.515,0.25) 14(2.515,0.751) 15(2.515,1.251) 26(-2.515,1.251) 27(-2.515,0.751) 28(-2.515,0.25) 29(-2.515,-0.25) 30(-2.515,-0.751) 31(-2.515,-1.251)
  rect 3.404x3.404 smd: 33(0,0)
QFN64-11X27-SMSC
  oval 0.889x0.279 smd: 1(-4.572,3.749) 2(-4.572,3.249) 3(-4.572,2.749) 4(-4.572,2.249) 5(-4.572,1.75) 6(-4.572,1.25) 7(-4.572,0.75) 8(-4.572,0.25) 9(-4.572,-0.25) 10(-4.572,-0.75) 11(-4.572,-1.25) 12(-4.572,-1.75) 13(-4.572,-2.249) 14(-4.572,-2.749) 15(-4.572,-3.249) 16(-4.572,-3.749) 33(4.572,-3.749) 34(4.572,-3.249) 35(4.572,-2.749) 36(4.572,-2.249) 37(4.572,-1.75) 38(4.572,-1.25) 39(4.572,-0.75) 40(4.572,-0.25) 41(4.572,0.25) 42(4.572,0.75) 43(4.572,1.25) 44(4.572,1.75) 45(4.572,2.249) 46(4.572,2.749) 47(4.572,3.249) 48(4.572,3.749)
  oval 0.279x0.889 smd: 17(-3.749,-4.572) 18(-3.249,-4.572) 19(-2.749,-4.572) 20(-2.249,-4.572) 21(-1.75,-4.572) 22(-1.25,-4.572) 23(-0.75,-4.572) 24(-0.25,-4.572) 25(0.25,-4.572) 26(0.75,-4.572) 27(1.25,-4.572) 28(1.75,-4.572) 29(2.249,-4.572) 30(2.749,-4.572) 31(3.249,-4.572) 32(3.749,-4.572) 49(3.749,4.572) 50(3.249,4.572) 51(2.749,4.572) 52(2.249,4.572) 53(1.75,4.572) 54(1.25,4.572) 55(0.75,4.572) 56(0.25,4.572) 57(-0.25,4.572) 58(-0.75,4.572) 59(-1.25,4.572) 60(-1.75,4.572) 61(-2.249,4.572) 62(-2.749,4.572) 63(-3.249,4.572) 64(-3.749,4.572)
  rect 7.112x7.112 smd: 65(0,0)
